# Altium PCB PCB_wordclocksmall_2022-11-05.pcbdoc (part 2 of 5) (continued)
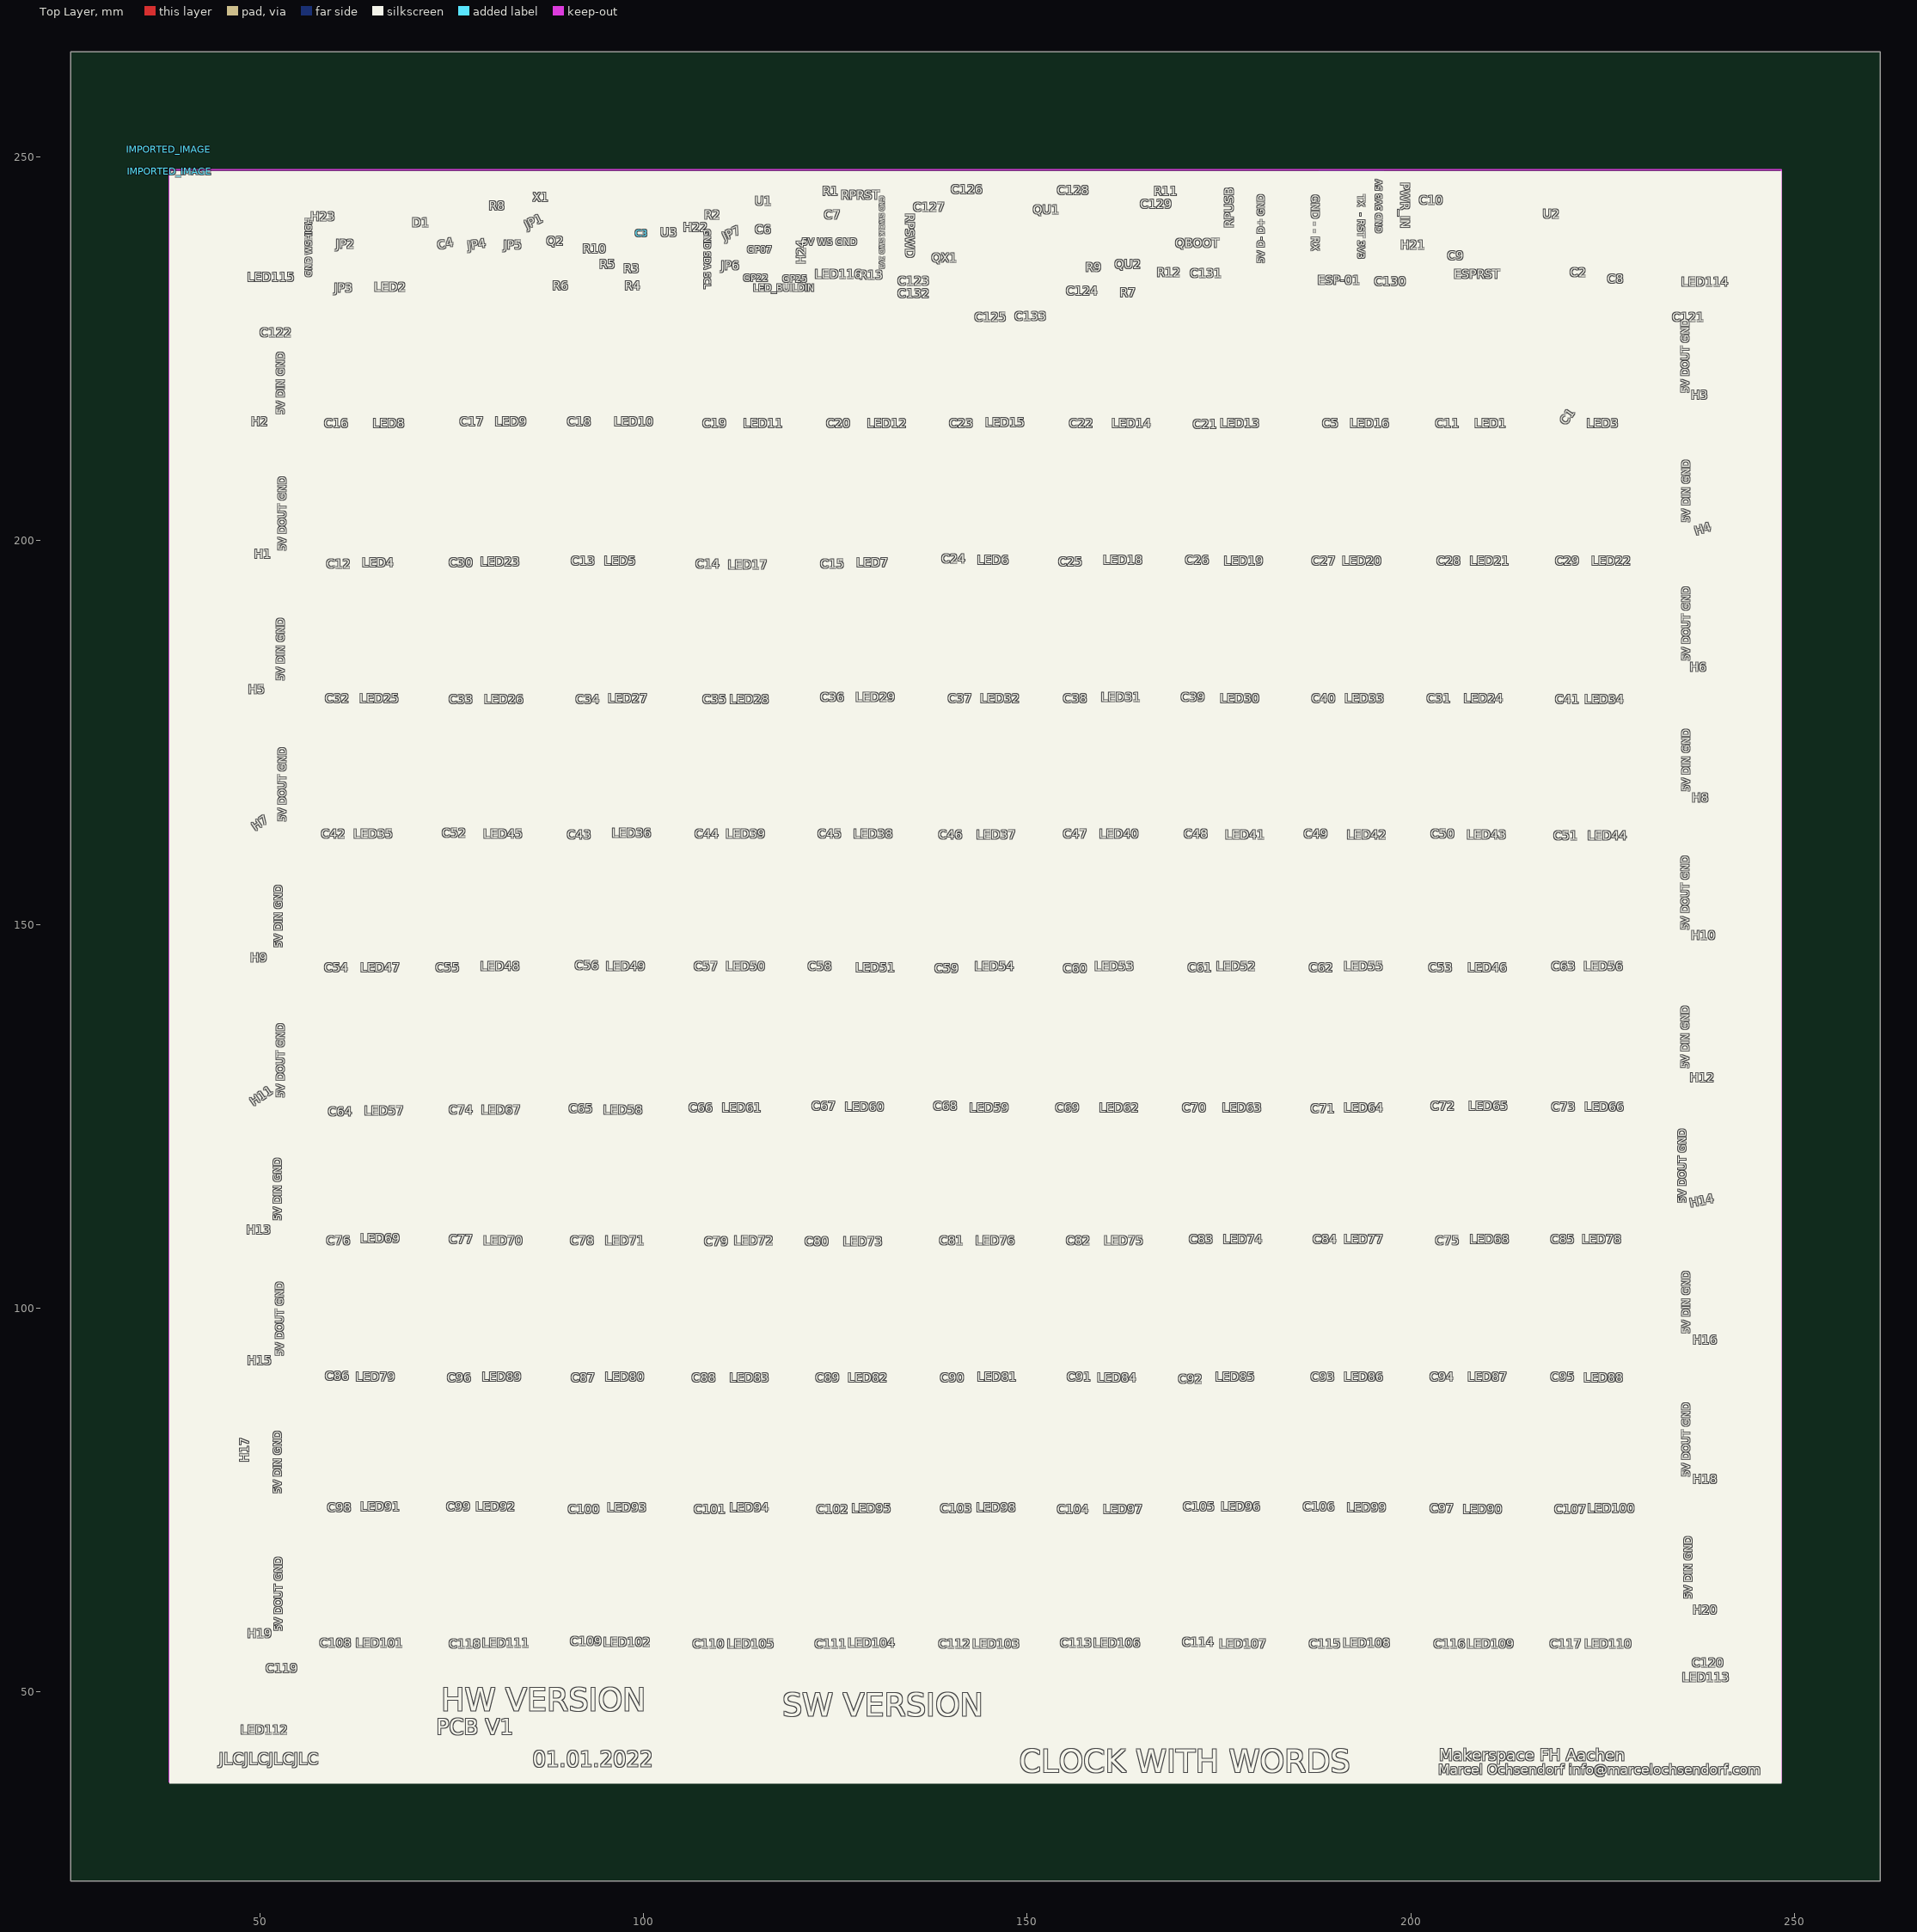
[diagram p0: Top Layer view]
## Footprints (in the part's own frame and the unit in brackets; to place one, negate y for a bottom-side part, rotate by r counter-clockwise, add the part's x,y. Pads: shape width x height; smd on the part's side, far side on the other; paste and mask are expansions set on the pad) (continued)
  Top Layer region: -36.385,-17.78 -36.378,-17.677 -36.359,-17.575 -36.327,-17.476 -36.283,-17.382 -36.227,-17.295 -36.161,-17.215 -36.086,-17.144 -36.002,-17.083 -35.911,-17.033 -35.815,-16.995 -35.714,-16.969 -35.612,-16.957 -35.508,-16.957 -35.405,-16.969 -35.305,-16.995 -35.209,-17.033 -35.118,-17.083 -35.034,-17.144 -34.959,-17.215 -34.892,-17.295 -34.837,-17.382 -34.793,-17.476 -34.761,-17.575 -34.741,-17.677 -34.735,-17.78 -34.735,-19.43 -34.741,-19.533 -34.761,-19.635 -34.793,-19.734 -34.837,-19.827 -34.892,-19.915 -34.959,-19.995 -35.034,-20.066 -35.118,-20.126 -35.209,-20.176 -35.305,-20.215 -35.405,-20.24 -35.508,-20.253 -35.612,-20.253 -35.714,-20.24 -35.815,-20.215 -35.911,-20.176 -36.002,-20.126 -36.086,-20.066 -36.161,-19.995 -36.227,-19.915 -36.283,-19.827 -36.327,-19.734 -36.359,-19.635 -36.378,-19.533 -36.385,-19.43
  Top Layer region: -33.845,-17.78 -33.838,-17.677 -33.819,-17.575 -33.787,-17.476 -33.743,-17.382 -33.687,-17.295 -33.621,-17.215 -33.546,-17.144 -33.462,-17.083 -33.371,-17.033 -33.275,-16.995 -33.174,-16.969 -33.072,-16.957 -32.968,-16.957 -32.865,-16.969 -32.765,-16.995 -32.669,-17.033 -32.578,-17.083 -32.494,-17.144 -32.419,-17.215 -32.352,-17.295 -32.297,-17.382 -32.253,-17.476 -32.221,-17.575 -32.201,-17.677 -32.195,-17.78 -32.195,-19.43 -32.201,-19.533 -32.221,-19.635 -32.253,-19.734 -32.297,-19.827 -32.352,-19.915 -32.419,-19.995 -32.494,-20.066 -32.578,-20.126 -32.669,-20.176 -32.765,-20.215 -32.865,-20.24 -32.968,-20.253 -33.072,-20.253 -33.174,-20.24 -33.275,-20.215 -33.371,-20.176 -33.462,-20.126 -33.546,-20.066 -33.621,-19.995 -33.687,-19.915 -33.743,-19.827 -33.787,-19.734 -33.819,-19.635 -33.838,-19.533 -33.845,-19.43
  Top Layer region: -31.305,-17.78 -31.298,-17.677 -31.279,-17.575 -31.247,-17.476 -31.203,-17.382 -31.147,-17.295 -31.081,-17.215 -31.006,-17.144 -30.922,-17.083 -30.831,-17.033 -30.735,-16.995 -30.634,-16.969 -30.532,-16.957 -30.428,-16.957 -30.325,-16.969 -30.225,-16.995 -30.129,-17.033 -30.038,-17.083 -29.954,-17.144 -29.879,-17.215 -29.812,-17.295 -29.757,-17.382 -29.713,-17.476 -29.681,-17.575 -29.661,-17.677 -29.655,-17.78 -29.655,-19.43 -29.661,-19.533 -29.681,-19.635 -29.713,-19.734 -29.757,-19.827 -29.812,-19.915 -29.879,-19.995 -29.954,-20.066 -30.038,-20.126 -30.129,-20.176 -30.225,-20.215 -30.325,-20.24 -30.428,-20.253 -30.532,-20.253 -30.634,-20.24 -30.735,-20.215 -30.831,-20.176 -30.922,-20.126 -31.006,-20.066 -31.081,-19.995 -31.147,-19.915 -31.203,-19.827 -31.247,-19.734 -31.279,-19.635 -31.298,-19.533 -31.305,-19.43
  Top Layer region: -28.765,-17.78 -28.758,-17.677 -28.739,-17.575 -28.707,-17.476 -28.663,-17.382 -28.607,-17.295 -28.541,-17.215 -28.466,-17.144 -28.382,-17.083 -28.291,-17.033 -28.195,-16.995 -28.094,-16.969 -27.992,-16.957 -27.888,-16.957 -27.785,-16.969 -27.685,-16.995 -27.589,-17.033 -27.498,-17.083 -27.414,-17.144 -27.339,-17.215 -27.272,-17.295 -27.217,-17.382 -27.173,-17.476 -27.141,-17.575 -27.121,-17.677 -27.115,-17.78 -27.115,-19.43 -27.121,-19.533 -27.141,-19.635 -27.173,-19.734 -27.217,-19.827 -27.272,-19.915 -27.339,-19.995 -27.414,-20.066 -27.498,-20.126 -27.589,-20.176 -27.685,-20.215 -27.785,-20.24 -27.888,-20.253 -27.992,-20.253 -28.094,-20.24 -28.195,-20.215 -28.291,-20.176 -28.382,-20.126 -28.466,-20.066 -28.541,-19.995 -28.607,-19.915 -28.663,-19.827 -28.707,-19.734 -28.739,-19.635 -28.758,-19.533 -28.765,-19.43
  Top Layer region: -26.225,-17.78 -26.218,-17.677 -26.199,-17.575 -26.167,-17.476 -26.123,-17.382 -26.068,-17.295 -26.001,-17.215 -25.926,-17.144 -25.842,-17.083 -25.751,-17.033 -25.655,-16.995 -25.554,-16.969 -25.452,-16.957 -25.348,-16.957 -25.245,-16.969 -25.145,-16.995 -25.049,-17.033 -24.958,-17.083 -24.874,-17.144 -24.799,-17.215 -24.732,-17.295 -24.677,-17.382 -24.633,-17.476 -24.601,-17.575 -24.581,-17.677 -24.575,-17.78 -24.575,-19.43 -24.581,-19.533 -24.601,-19.635 -24.633,-19.734 -24.677,-19.827 -24.732,-19.915 -24.799,-19.995 -24.874,-20.066 -24.958,-20.126 -25.049,-20.176 -25.145,-20.215 -25.245,-20.24 -25.348,-20.253 -25.452,-20.253 -25.554,-20.24 -25.655,-20.215 -25.751,-20.176 -25.842,-20.126 -25.926,-20.066 -26.001,-19.995 -26.068,-19.915 -26.123,-19.827 -26.167,-19.734 -26.199,-19.635 -26.218,-19.533 -26.225,-19.43
  Top Layer region: -23.685,-17.78 -23.678,-17.677 -23.659,-17.575 -23.627,-17.476 -23.583,-17.382 -23.528,-17.295 -23.461,-17.215 -23.386,-17.144 -23.302,-17.083 -23.211,-17.033 -23.115,-16.995 -23.014,-16.969 -22.912,-16.957 -22.808,-16.957 -22.705,-16.969 -22.605,-16.995 -22.509,-17.033 -22.418,-17.083 -22.334,-17.144 -22.259,-17.215 -22.192,-17.295 -22.137,-17.382 -22.093,-17.476 -22.061,-17.575 -22.041,-17.677 -22.035,-17.78 -22.035,-19.43 -22.041,-19.533 -22.061,-19.635 -22.093,-19.734 -22.137,-19.827 -22.192,-19.915 -22.259,-19.995 -22.334,-20.066 -22.418,-20.126 -22.509,-20.176 -22.605,-20.215 -22.705,-20.24 -22.808,-20.253 -22.912,-20.253 -23.014,-20.24 -23.115,-20.215 -23.211,-20.176 -23.302,-20.126 -23.386,-20.066 -23.461,-19.995 -23.528,-19.915 -23.583,-19.827 -23.627,-19.734 -23.659,-19.635 -23.678,-19.533 -23.685,-19.43
  Top Layer region: -21.145,-17.78 -21.138,-17.677 -21.119,-17.575 -21.087,-17.476 -21.043,-17.382 -20.988,-17.295 -20.921,-17.215 -20.846,-17.144 -20.762,-17.083 -20.671,-17.033 -20.575,-16.995 -20.474,-16.969 -20.372,-16.957 -20.268,-16.957 -20.165,-16.969 -20.065,-16.995 -19.969,-17.033 -19.878,-17.083 -19.794,-17.144 -19.719,-17.215 -19.652,-17.295 -19.597,-17.382 -19.553,-17.476 -19.521,-17.575 -19.501,-17.677 -19.495,-17.78 -19.495,-19.43 -19.501,-19.533 -19.521,-19.635 -19.553,-19.734 -19.597,-19.827 -19.652,-19.915 -19.719,-19.995 -19.794,-20.066 -19.878,-20.126 -19.969,-20.176 -20.065,-20.215 -20.165,-20.24 -20.268,-20.253 -20.372,-20.253 -20.474,-20.24 -20.575,-20.215 -20.671,-20.176 -20.762,-20.126 -20.846,-20.066 -20.921,-19.995 -20.988,-19.915 -21.043,-19.827 -21.087,-19.734 -21.119,-19.635 -21.138,-19.533 -21.145,-19.43
  Top Layer region: -18.605,-17.78 -18.598,-17.677 -18.579,-17.575 -18.547,-17.476 -18.503,-17.382 -18.448,-17.295 -18.381,-17.215 -18.306,-17.144 -18.222,-17.083 -18.131,-17.033 -18.035,-16.995 -17.934,-16.969 -17.832,-16.957 -17.728,-16.957 -17.625,-16.969 -17.525,-16.995 -17.429,-17.033 -17.338,-17.083 -17.254,-17.144 -17.179,-17.215 -17.112,-17.295 -17.057,-17.382 -17.013,-17.476 -16.981,-17.575 -16.961,-17.677 -16.955,-17.78 -16.955,-19.43 -16.961,-19.533 -16.981,-19.635 -17.013,-19.734 -17.057,-19.827 -17.112,-19.915 -17.179,-19.995 -17.254,-20.066 -17.338,-20.126 -17.429,-20.176 -17.525,-20.215 -17.625,-20.24 -17.728,-20.253 -17.832,-20.253 -17.934,-20.24 -18.035,-20.215 -18.131,-20.176 -18.222,-20.126 -18.306,-20.066 -18.381,-19.995 -18.448,-19.915 -18.503,-19.827 -18.547,-19.734 -18.579,-19.635 -18.598,-19.533 -18.605,-19.43
  Top Layer region: -16.065,-17.78 -16.058,-17.677 -16.039,-17.575 -16.007,-17.476 -15.963,-17.382 -15.908,-17.295 -15.841,-17.215 -15.766,-17.144 -15.682,-17.083 -15.591,-17.033 -15.495,-16.995 -15.394,-16.969 -15.292,-16.957 -15.188,-16.957 -15.085,-16.969 -14.985,-16.995 -14.889,-17.033 -14.798,-17.083 -14.714,-17.144 -14.639,-17.215 -14.572,-17.295 -14.517,-17.382 -14.473,-17.476 -14.441,-17.575 -14.421,-17.677 -14.415,-17.78 -14.415,-19.43 -14.421,-19.533 -14.441,-19.635 -14.473,-19.734 -14.517,-19.827 -14.572,-19.915 -14.639,-19.995 -14.714,-20.066 -14.798,-20.126 -14.889,-20.176 -14.985,-20.215 -15.085,-20.24 -15.188,-20.253 -15.292,-20.253 -15.394,-20.24 -15.495,-20.215 -15.591,-20.176 -15.682,-20.126 -15.766,-20.066 -15.841,-19.995 -15.908,-19.915 -15.963,-19.827 -16.007,-19.734 -16.039,-19.635 -16.058,-19.533 -16.065,-19.43
  Top Layer region: -13.525,-17.78 -13.518,-17.677 -13.499,-17.575 -13.467,-17.476 -13.423,-17.382 -13.368,-17.295 -13.301,-17.215 -13.226,-17.144 -13.142,-17.083 -13.051,-17.033 -12.955,-16.995 -12.855,-16.969 -12.752,-16.957 -12.648,-16.957 -12.545,-16.969 -12.445,-16.995 -12.349,-17.033 -12.258,-17.083 -12.174,-17.144 -12.099,-17.215 -12.032,-17.295 -11.977,-17.382 -11.933,-17.476 -11.901,-17.575 -11.881,-17.677 -11.875,-17.78 -11.875,-19.43 -11.881,-19.533 -11.901,-19.635 -11.933,-19.734 -11.977,-19.827 -12.032,-19.915 -12.099,-19.995 -12.174,-20.066 -12.258,-20.126 -12.349,-20.176 -12.445,-20.215 -12.545,-20.24 -12.648,-20.253 -12.752,-20.253 -12.855,-20.24 -12.955,-20.215 -13.051,-20.176 -13.142,-20.126 -13.226,-20.066 -13.301,-19.995 -13.368,-19.915 -13.423,-19.827 -13.467,-19.734 -13.499,-19.635 -13.518,-19.533 -13.525,-19.43
  Top Layer region: -10.985,-17.78 -10.978,-17.677 -10.959,-17.575 -10.927,-17.476 -10.883,-17.382 -10.828,-17.295 -10.761,-17.215 -10.686,-17.144 -10.602,-17.083 -10.511,-17.033 -10.415,-16.995 -10.315,-16.969 -10.212,-16.957 -10.108,-16.957 -10.005,-16.969 -9.905,-16.995 -9.809,-17.033 -9.718,-17.083 -9.634,-17.144 -9.559,-17.215 -9.492,-17.295 -9.437,-17.382 -9.393,-17.476 -9.361,-17.575 -9.342,-17.677 -9.335,-17.78 -9.335,-19.43 -9.342,-19.533 -9.361,-19.635 -9.393,-19.734 -9.437,-19.827 -9.492,-19.915 -9.559,-19.995 -9.634,-20.066 -9.718,-20.126 -9.809,-20.176 -9.905,-20.215 -10.005,-20.24 -10.108,-20.253 -10.212,-20.253 -10.315,-20.24 -10.415,-20.215 -10.511,-20.176 -10.602,-20.126 -10.686,-20.066 -10.761,-19.995 -10.828,-19.915 -10.883,-19.827 -10.927,-19.734 -10.959,-19.635 -10.978,-19.533 -10.985,-19.43
  Top Layer region: -8.445,-17.78 -8.438,-17.677 -8.419,-17.575 -8.387,-17.476 -8.343,-17.382 -8.288,-17.295 -8.221,-17.215 -8.146,-17.144 -8.062,-17.083 -7.971,-17.033 -7.875,-16.995 -7.775,-16.969 -7.672,-16.957 -7.568,-16.957 -7.465,-16.969 -7.365,-16.995 -7.269,-17.033 -7.178,-17.083 -7.094,-17.144 -7.019,-17.215 -6.952,-17.295 -6.897,-17.382 -6.853,-17.476 -6.821,-17.575 -6.802,-17.677 -6.795,-17.78 -6.795,-19.43 -6.802,-19.533 -6.821,-19.635 -6.853,-19.734 -6.897,-19.827 -6.952,-19.915 -7.019,-19.995 -7.094,-20.066 -7.178,-20.126 -7.269,-20.176 -7.365,-20.215 -7.465,-20.24 -7.568,-20.253 -7.672,-20.253 -7.775,-20.24 -7.875,-20.215 -7.971,-20.176 -8.062,-20.126 -8.146,-20.066 -8.221,-19.995 -8.288,-19.915 -8.343,-19.827 -8.387,-19.734 -8.419,-19.635 -8.438,-19.533 -8.445,-19.43
  Top Layer region: -5.905,-17.78 -5.898,-17.677 -5.879,-17.575 -5.847,-17.476 -5.803,-17.382 -5.748,-17.295 -5.681,-17.215 -5.606,-17.144 -5.522,-17.083 -5.431,-17.033 -5.335,-16.995 -5.235,-16.969 -5.132,-16.957 -5.028,-16.957 -4.925,-16.969 -4.825,-16.995 -4.729,-17.033 -4.638,-17.083 -4.554,-17.144 -4.479,-17.215 -4.412,-17.295 -4.357,-17.382 -4.313,-17.476 -4.281,-17.575 -4.262,-17.677 -4.255,-17.78 -4.255,-19.43 -4.262,-19.533 -4.281,-19.635 -4.313,-19.734 -4.357,-19.827 -4.412,-19.915 -4.479,-19.995 -4.554,-20.066 -4.638,-20.126 -4.729,-20.176 -4.825,-20.215 -4.925,-20.24 -5.028,-20.253 -5.132,-20.253 -5.235,-20.24 -5.335,-20.215 -5.431,-20.176 -5.522,-20.126 -5.606,-20.066 -5.681,-19.995 -5.748,-19.915 -5.803,-19.827 -5.847,-19.734 -5.879,-19.635 -5.898,-19.533 -5.905,-19.43
  Top Layer region: -3.365,-17.78 -3.358,-17.677 -3.339,-17.575 -3.307,-17.476 -3.263,-17.382 -3.208,-17.295 -3.141,-17.215 -3.066,-17.144 -2.982,-17.083 -2.891,-17.033 -2.795,-16.995 -2.695,-16.969 -2.592,-16.957 -2.488,-16.957 -2.385,-16.969 -2.285,-16.995 -2.189,-17.033 -2.098,-17.083 -2.014,-17.144 -1.939,-17.215 -1.872,-17.295 -1.817,-17.382 -1.773,-17.476 -1.741,-17.575 -1.722,-17.677 -1.715,-17.78 -1.715,-19.43 -1.722,-19.533 -1.741,-19.635 -1.773,-19.734 -1.817,-19.827 -1.872,-19.915 -1.939,-19.995 -2.014,-20.066 -2.098,-20.126 -2.189,-20.176 -2.285,-20.215 -2.385,-20.24 -2.488,-20.253 -2.592,-20.253 -2.695,-20.24 -2.795,-20.215 -2.891,-20.176 -2.982,-20.126 -3.066,-20.066 -3.141,-19.995 -3.208,-19.915 -3.263,-19.827 -3.307,-19.734 -3.339,-19.635 -3.358,-19.533 -3.365,-19.43
  Top Layer region: -0.825,-17.78 -0.818,-17.677 -0.799,-17.575 -0.767,-17.476 -0.723,-17.382 -0.668,-17.295 -0.601,-17.215 -0.526,-17.144 -0.442,-17.083 -0.351,-17.033 -0.255,-16.995 -0.155,-16.969 -0.052,-16.957 0.052,-16.957 0.155,-16.969 0.255,-16.995 0.351,-17.033 0.442,-17.083 0.526,-17.144 0.601,-17.215 0.668,-17.295 0.723,-17.382 0.767,-17.476 0.799,-17.575 0.818,-17.677 0.825,-17.78 0.825,-19.43 0.818,-19.533 0.799,-19.635 0.767,-19.734 0.723,-19.827 0.668,-19.915 0.601,-19.995 0.526,-20.066 0.442,-20.126 0.351,-20.176 0.255,-20.215 0.155,-20.24 0.052,-20.253 -0.052,-20.253 -0.155,-20.24 -0.255,-20.215 -0.351,-20.176 -0.442,-20.126 -0.526,-20.066 -0.601,-19.995 -0.668,-19.915 -0.723,-19.827 -0.767,-19.734 -0.799,-19.635 -0.818,-19.533 -0.825,-19.43
  Top Layer region: -48.03,-5.525 -47.926,-5.532 -47.825,-5.551 -47.726,-5.583 -47.632,-5.627 -47.545,-5.682 -47.465,-5.749 -47.394,-5.824 -47.333,-5.908 -47.283,-5.999 -47.245,-6.095 -47.22,-6.195 -47.206,-6.298 -47.206,-6.402 -47.22,-6.505 -47.245,-6.605 -47.283,-6.701 -47.333,-6.792 -47.394,-6.876 -47.465,-6.951 -47.545,-7.018 -47.632,-7.073 -47.726,-7.117 -47.825,-7.149 -47.926,-7.168 -48.03,-7.175 -49.68,-7.175 -49.783,-7.168 -49.885,-7.149 -49.984,-7.117 -50.077,-7.073 -50.165,-7.018 -50.245,-6.951 -50.316,-6.876 -50.377,-6.792 -50.426,-6.701 -50.464,-6.605 -50.49,-6.505 -50.503,-6.402 -50.503,-6.298 -50.49,-6.195 -50.464,-6.095 -50.426,-5.999 -50.377,-5.908 -50.316,-5.824 -50.245,-5.749 -50.165,-5.682 -50.077,-5.627 -49.984,-5.583 -49.885,-5.551 -49.783,-5.532 -49.68,-5.525
  Top Layer region: -48.03,-8.065 -47.926,-8.072 -47.825,-8.091 -47.726,-8.123 -47.632,-8.167 -47.545,-8.222 -47.465,-8.289 -47.394,-8.364 -47.333,-8.448 -47.283,-8.539 -47.245,-8.635 -47.22,-8.735 -47.206,-8.838 -47.206,-8.942 -47.22,-9.045 -47.245,-9.145 -47.283,-9.241 -47.333,-9.332 -47.394,-9.416 -47.465,-9.491 -47.545,-9.558 -47.632,-9.613 -47.726,-9.657 -47.825,-9.689 -47.926,-9.708 -48.03,-9.715 -49.68,-9.715 -49.783,-9.708 -49.885,-9.689 -49.984,-9.657 -50.077,-9.613 -50.165,-9.558 -50.245,-9.491 -50.316,-9.416 -50.377,-9.332 -50.426,-9.241 -50.464,-9.145 -50.49,-9.045 -50.503,-8.942 -50.503,-8.838 -50.49,-8.735 -50.464,-8.635 -50.426,-8.539 -50.377,-8.448 -50.316,-8.364 -50.245,-8.289 -50.165,-8.222 -50.077,-8.167 -49.984,-8.123 -49.885,-8.091 -49.783,-8.072 -49.68,-8.065
  Top Layer region: -48.03,-10.605 -47.926,-10.611 -47.825,-10.631 -47.726,-10.663 -47.632,-10.707 -47.545,-10.762 -47.465,-10.829 -47.394,-10.904 -47.333,-10.988 -47.283,-11.079 -47.245,-11.175 -47.22,-11.275 -47.206,-11.378 -47.206,-11.482 -47.22,-11.585 -47.245,-11.685 -47.283,-11.781 -47.333,-11.872 -47.394,-11.956 -47.465,-12.031 -47.545,-12.098 -47.632,-12.153 -47.726,-12.197 -47.825,-12.229 -47.926,-12.248 -48.03,-12.255 -49.68,-12.255 -49.783,-12.248 -49.885,-12.229 -49.984,-12.197 -50.077,-12.153 -50.165,-12.098 -50.245,-12.031 -50.316,-11.956 -50.377,-11.872 -50.426,-11.781 -50.464,-11.685 -50.49,-11.585 -50.503,-11.482 -50.503,-11.378 -50.49,-11.275 -50.464,-11.175 -50.426,-11.079 -50.377,-10.988 -50.316,-10.904 -50.245,-10.829 -50.165,-10.762 -50.077,-10.707 -49.984,-10.663 -49.885,-10.631 -49.783,-10.611 -49.68,-10.605
  Bottom Layer region: 0.825,0 0.818,-0.103 0.799,-0.205 0.767,-0.304 0.723,-0.398 0.668,-0.485 0.601,-0.565 0.526,-0.636 0.442,-0.696 0.351,-0.747 0.255,-0.785 0.155,-0.81 0.052,-0.823 -0.052,-0.823 -0.155,-0.81 -0.255,-0.785 -0.351,-0.747 -0.442,-0.696 -0.526,-0.636 -0.601,-0.565 -0.668,-0.485 -0.723,-0.398 -0.767,-0.304 -0.799,-0.205 -0.818,-0.103 -0.825,0 -0.825,1.65 -0.818,1.753 -0.799,1.855 -0.767,1.954 -0.723,2.047 -0.668,2.135 -0.601,2.215 -0.526,2.286 -0.442,2.346 -0.351,2.396 -0.255,2.435 -0.155,2.46 -0.052,2.473 0.052,2.473 0.155,2.46 0.255,2.435 0.351,2.396 0.442,2.346 0.526,2.286 0.601,2.215 0.668,2.135 0.723,2.047 0.767,1.954 0.799,1.855 0.818,1.753 0.825,1.65
  Bottom Layer region: -1.715,0 -1.722,-0.103 -1.741,-0.205 -1.773,-0.304 -1.817,-0.398 -1.872,-0.485 -1.939,-0.565 -2.014,-0.636 -2.098,-0.696 -2.189,-0.747 -2.285,-0.785 -2.385,-0.81 -2.488,-0.823 -2.592,-0.823 -2.695,-0.81 -2.795,-0.785 -2.891,-0.747 -2.982,-0.696 -3.066,-0.636 -3.141,-0.565 -3.208,-0.485 -3.263,-0.398 -3.307,-0.304 -3.339,-0.205 -3.358,-0.103 -3.365,0 -3.365,1.65 -3.358,1.753 -3.339,1.855 -3.307,1.954 -3.263,2.047 -3.208,2.135 -3.141,2.215 -3.066,2.286 -2.982,2.346 -2.891,2.396 -2.795,2.435 -2.695,2.46 -2.592,2.473 -2.488,2.473 -2.385,2.46 -2.285,2.435 -2.189,2.396 -2.098,2.346 -2.014,2.286 -1.939,2.215 -1.872,2.135 -1.817,2.047 -1.773,1.954 -1.741,1.855 -1.722,1.753 -1.715,1.65
  Bottom Layer region: -4.255,0 -4.262,-0.103 -4.281,-0.205 -4.313,-0.304 -4.357,-0.398 -4.412,-0.485 -4.479,-0.565 -4.554,-0.636 -4.638,-0.696 -4.729,-0.747 -4.825,-0.785 -4.925,-0.81 -5.028,-0.823 -5.132,-0.823 -5.235,-0.81 -5.335,-0.785 -5.431,-0.747 -5.522,-0.696 -5.606,-0.636 -5.681,-0.565 -5.748,-0.485 -5.803,-0.398 -5.847,-0.304 -5.879,-0.205 -5.898,-0.103 -5.905,0 -5.905,1.65 -5.898,1.753 -5.879,1.855 -5.847,1.954 -5.803,2.047 -5.748,2.135 -5.681,2.215 -5.606,2.286 -5.522,2.346 -5.431,2.396 -5.335,2.435 -5.235,2.46 -5.132,2.473 -5.028,2.473 -4.925,2.46 -4.825,2.435 -4.729,2.396 -4.638,2.346 -4.554,2.286 -4.479,2.215 -4.412,2.135 -4.357,2.047 -4.313,1.954 -4.281,1.855 -4.262,1.753 -4.255,1.65
  Bottom Layer region: -6.795,0 -6.802,-0.103 -6.821,-0.205 -6.853,-0.304 -6.897,-0.398 -6.952,-0.485 -7.019,-0.565 -7.094,-0.636 -7.178,-0.696 -7.269,-0.747 -7.365,-0.785 -7.465,-0.81 -7.568,-0.823 -7.672,-0.823 -7.775,-0.81 -7.875,-0.785 -7.971,-0.747 -8.062,-0.696 -8.146,-0.636 -8.221,-0.565 -8.288,-0.485 -8.343,-0.398 -8.387,-0.304 -8.419,-0.205 -8.438,-0.103 -8.445,0 -8.445,1.65 -8.438,1.753 -8.419,1.855 -8.387,1.954 -8.343,2.047 -8.288,2.135 -8.221,2.215 -8.146,2.286 -8.062,2.346 -7.971,2.396 -7.875,2.435 -7.775,2.46 -7.672,2.473 -7.568,2.473 -7.465,2.46 -7.365,2.435 -7.269,2.396 -7.178,2.346 -7.094,2.286 -7.019,2.215 -6.952,2.135 -6.897,2.047 -6.853,1.954 -6.821,1.855 -6.802,1.753 -6.795,1.65
  Bottom Layer region: -9.335,0 -9.342,-0.103 -9.361,-0.205 -9.393,-0.304 -9.437,-0.398 -9.492,-0.485 -9.559,-0.565 -9.634,-0.636 -9.718,-0.696 -9.809,-0.747 -9.905,-0.785 -10.005,-0.81 -10.108,-0.823 -10.212,-0.823 -10.315,-0.81 -10.415,-0.785 -10.511,-0.747 -10.602,-0.696 -10.686,-0.636 -10.761,-0.565 -10.828,-0.485 -10.883,-0.398 -10.927,-0.304 -10.959,-0.205 -10.978,-0.103 -10.985,0 -10.985,1.65 -10.978,1.753 -10.959,1.855 -10.927,1.954 -10.883,2.047 -10.828,2.135 -10.761,2.215 -10.686,2.286 -10.602,2.346 -10.511,2.396 -10.415,2.435 -10.315,2.46 -10.212,2.473 -10.108,2.473 -10.005,2.46 -9.905,2.435 -9.809,2.396 -9.718,2.346 -9.634,2.286 -9.559,2.215 -9.492,2.135 -9.437,2.047 -9.393,1.954 -9.361,1.855 -9.342,1.753 -9.335,1.65
  Bottom Layer region: -11.875,0 -11.881,-0.103 -11.901,-0.205 -11.933,-0.304 -11.977,-0.398 -12.032,-0.485 -12.099,-0.565 -12.174,-0.636 -12.258,-0.696 -12.349,-0.747 -12.445,-0.785 -12.545,-0.81 -12.648,-0.823 -12.752,-0.823 -12.855,-0.81 -12.955,-0.785 -13.051,-0.747 -13.142,-0.696 -13.226,-0.636 -13.301,-0.565 -13.368,-0.485 -13.423,-0.398 -13.467,-0.304 -13.499,-0.205 -13.518,-0.103 -13.525,0 -13.525,1.65 -13.518,1.753 -13.499,1.855 -13.467,1.954 -13.423,2.047 -13.368,2.135 -13.301,2.215 -13.226,2.286 -13.142,2.346 -13.051,2.396 -12.955,2.435 -12.855,2.46 -12.752,2.473 -12.648,2.473 -12.545,2.46 -12.445,2.435 -12.349,2.396 -12.258,2.346 -12.174,2.286 -12.099,2.215 -12.032,2.135 -11.977,2.047 -11.933,1.954 -11.901,1.855 -11.881,1.753 -11.875,1.65
  Bottom Layer region: -14.415,0 -14.421,-0.103 -14.441,-0.205 -14.473,-0.304 -14.517,-0.398 -14.572,-0.485 -14.639,-0.565 -14.714,-0.636 -14.798,-0.696 -14.889,-0.747 -14.985,-0.785 -15.085,-0.81 -15.188,-0.823 -15.292,-0.823 -15.394,-0.81 -15.495,-0.785 -15.591,-0.747 -15.682,-0.696 -15.766,-0.636 -15.841,-0.565 -15.908,-0.485 -15.963,-0.398 -16.007,-0.304 -16.039,-0.205 -16.058,-0.103 -16.065,0 -16.065,1.65 -16.058,1.753 -16.039,1.855 -16.007,1.954 -15.963,2.047 -15.908,2.135 -15.841,2.215 -15.766,2.286 -15.682,2.346 -15.591,2.396 -15.495,2.435 -15.394,2.46 -15.292,2.473 -15.188,2.473 -15.085,2.46 -14.985,2.435 -14.889,2.396 -14.798,2.346 -14.714,2.286 -14.639,2.215 -14.572,2.135 -14.517,2.047 -14.473,1.954 -14.441,1.855 -14.421,1.753 -14.415,1.65
  Bottom Layer region: -16.955,0 -16.961,-0.103 -16.981,-0.205 -17.013,-0.304 -17.057,-0.398 -17.112,-0.485 -17.179,-0.565 -17.254,-0.636 -17.338,-0.696 -17.429,-0.747 -17.525,-0.785 -17.625,-0.81 -17.728,-0.823 -17.832,-0.823 -17.934,-0.81 -18.035,-0.785 -18.131,-0.747 -18.222,-0.696 -18.306,-0.636 -18.381,-0.565 -18.448,-0.485 -18.503,-0.398 -18.547,-0.304 -18.579,-0.205 -18.598,-0.103 -18.605,0 -18.605,1.65 -18.598,1.753 -18.579,1.855 -18.547,1.954 -18.503,2.047 -18.448,2.135 -18.381,2.215 -18.306,2.286 -18.222,2.346 -18.131,2.396 -18.035,2.435 -17.934,2.46 -17.832,2.473 -17.728,2.473 -17.625,2.46 -17.525,2.435 -17.429,2.396 -17.338,2.346 -17.254,2.286 -17.179,2.215 -17.112,2.135 -17.057,2.047 -17.013,1.954 -16.981,1.855 -16.961,1.753 -16.955,1.65
  Bottom Layer region: -19.495,0 -19.501,-0.103 -19.521,-0.205 -19.553,-0.304 -19.597,-0.398 -19.652,-0.485 -19.719,-0.565 -19.794,-0.636 -19.878,-0.696 -19.969,-0.747 -20.065,-0.785 -20.165,-0.81 -20.268,-0.823 -20.372,-0.823 -20.474,-0.81 -20.575,-0.785 -20.671,-0.747 -20.762,-0.696 -20.846,-0.636 -20.921,-0.565 -20.988,-0.485 -21.043,-0.398 -21.087,-0.304 -21.119,-0.205 -21.138,-0.103 -21.145,0 -21.145,1.65 -21.138,1.753 -21.119,1.855 -21.087,1.954 -21.043,2.047 -20.988,2.135 -20.921,2.215 -20.846,2.286 -20.762,2.346 -20.671,2.396 -20.575,2.435 -20.474,2.46 -20.372,2.473 -20.268,2.473 -20.165,2.46 -20.065,2.435 -19.969,2.396 -19.878,2.346 -19.794,2.286 -19.719,2.215 -19.652,2.135 -19.597,2.047 -19.553,1.954 -19.521,1.855 -19.501,1.753 -19.495,1.65
  Bottom Layer region: -22.035,0 -22.041,-0.103 -22.061,-0.205 -22.093,-0.304 -22.137,-0.398 -22.192,-0.485 -22.259,-0.565 -22.334,-0.636 -22.418,-0.696 -22.509,-0.747 -22.605,-0.785 -22.705,-0.81 -22.808,-0.823 -22.912,-0.823 -23.014,-0.81 -23.115,-0.785 -23.211,-0.747 -23.302,-0.696 -23.386,-0.636 -23.461,-0.565 -23.528,-0.485 -23.583,-0.398 -23.627,-0.304 -23.659,-0.205 -23.678,-0.103 -23.685,0 -23.685,1.65 -23.678,1.753 -23.659,1.855 -23.627,1.954 -23.583,2.047 -23.528,2.135 -23.461,2.215 -23.386,2.286 -23.302,2.346 -23.211,2.396 -23.115,2.435 -23.014,2.46 -22.912,2.473 -22.808,2.473 -22.705,2.46 -22.605,2.435 -22.509,2.396 -22.418,2.346 -22.334,2.286 -22.259,2.215 -22.192,2.135 -22.137,2.047 -22.093,1.954 -22.061,1.855 -22.041,1.753 -22.035,1.65
  Bottom Layer region: -24.575,0 -24.581,-0.103 -24.601,-0.205 -24.633,-0.304 -24.677,-0.398 -24.732,-0.485 -24.799,-0.565 -24.874,-0.636 -24.958,-0.696 -25.049,-0.747 -25.145,-0.785 -25.245,-0.81 -25.348,-0.823 -25.452,-0.823 -25.554,-0.81 -25.655,-0.785 -25.751,-0.747 -25.842,-0.696 -25.926,-0.636 -26.001,-0.565 -26.068,-0.485 -26.123,-0.398 -26.167,-0.304 -26.199,-0.205 -26.218,-0.103 -26.225,0 -26.225,1.65 -26.218,1.753 -26.199,1.855 -26.167,1.954 -26.123,2.047 -26.068,2.135 -26.001,2.215 -25.926,2.286 -25.842,2.346 -25.751,2.396 -25.655,2.435 -25.554,2.46 -25.452,2.473 -25.348,2.473 -25.245,2.46 -25.145,2.435 -25.049,2.396 -24.958,2.346 -24.874,2.286 -24.799,2.215 -24.732,2.135 -24.677,2.047 -24.633,1.954 -24.601,1.855 -24.581,1.753 -24.575,1.65
  Bottom Layer region: -27.115,0 -27.121,-0.103 -27.141,-0.205 -27.173,-0.304 -27.217,-0.398 -27.272,-0.485 -27.339,-0.565 -27.414,-0.636 -27.498,-0.696 -27.589,-0.747 -27.685,-0.785 -27.785,-0.81 -27.888,-0.823 -27.992,-0.823 -28.094,-0.81 -28.195,-0.785 -28.291,-0.747 -28.382,-0.696 -28.466,-0.636 -28.541,-0.565 -28.607,-0.485 -28.663,-0.398 -28.707,-0.304 -28.739,-0.205 -28.758,-0.103 -28.765,0 -28.765,1.65 -28.758,1.753 -28.739,1.855 -28.707,1.954 -28.663,2.047 -28.607,2.135 -28.541,2.215 -28.466,2.286 -28.382,2.346 -28.291,2.396 -28.195,2.435 -28.094,2.46 -27.992,2.473 -27.888,2.473 -27.785,2.46 -27.685,2.435 -27.589,2.396 -27.498,2.346 -27.414,2.286 -27.339,2.215 -27.272,2.135 -27.217,2.047 -27.173,1.954 -27.141,1.855 -27.121,1.753 -27.115,1.65
  Bottom Layer region: -29.655,0 -29.661,-0.103 -29.681,-0.205 -29.713,-0.304 -29.757,-0.398 -29.812,-0.485 -29.879,-0.565 -29.954,-0.636 -30.038,-0.696 -30.129,-0.747 -30.225,-0.785 -30.325,-0.81 -30.428,-0.823 -30.532,-0.823 -30.634,-0.81 -30.735,-0.785 -30.831,-0.747 -30.922,-0.696 -31.006,-0.636 -31.081,-0.565 -31.147,-0.485 -31.203,-0.398 -31.247,-0.304 -31.279,-0.205 -31.298,-0.103 -31.305,0 -31.305,1.65 -31.298,1.753 -31.279,1.855 -31.247,1.954 -31.203,2.047 -31.147,2.135 -31.081,2.215 -31.006,2.286 -30.922,2.346 -30.831,2.396 -30.735,2.435 -30.634,2.46 -30.532,2.473 -30.428,2.473 -30.325,2.46 -30.225,2.435 -30.129,2.396 -30.038,2.346 -29.954,2.286 -29.879,2.215 -29.812,2.135 -29.757,2.047 -29.713,1.954 -29.681,1.855 -29.661,1.753 -29.655,1.65
  Bottom Layer region: -32.195,0 -32.201,-0.103 -32.221,-0.205 -32.253,-0.304 -32.297,-0.398 -32.352,-0.485 -32.419,-0.565 -32.494,-0.636 -32.578,-0.696 -32.669,-0.747 -32.765,-0.785 -32.865,-0.81 -32.968,-0.823 -33.072,-0.823 -33.174,-0.81 -33.275,-0.785 -33.371,-0.747 -33.462,-0.696 -33.546,-0.636 -33.621,-0.565 -33.687,-0.485 -33.743,-0.398 -33.787,-0.304 -33.819,-0.205 -33.838,-0.103 -33.845,0 -33.845,1.65 -33.838,1.753 -33.819,1.855 -33.787,1.954 -33.743,2.047 -33.687,2.135 -33.621,2.215 -33.546,2.286 -33.462,2.346 -33.371,2.396 -33.275,2.435 -33.174,2.46 -33.072,2.473 -32.968,2.473 -32.865,2.46 -32.765,2.435 -32.669,2.396 -32.578,2.346 -32.494,2.286 -32.419,2.215 -32.352,2.135 -32.297,2.047 -32.253,1.954 -32.221,1.855 -32.201,1.753 -32.195,1.65
  Bottom Layer region: -34.735,0 -34.741,-0.103 -34.761,-0.205 -34.793,-0.304 -34.837,-0.398 -34.892,-0.485 -34.959,-0.565 -35.034,-0.636 -35.118,-0.696 -35.209,-0.747 -35.305,-0.785 -35.405,-0.81 -35.508,-0.823 -35.612,-0.823 -35.714,-0.81 -35.815,-0.785 -35.911,-0.747 -36.002,-0.696 -36.086,-0.636 -36.161,-0.565 -36.227,-0.485 -36.283,-0.398 -36.327,-0.304 -36.359,-0.205 -36.378,-0.103 -36.385,0 -36.385,1.65 -36.378,1.753 -36.359,1.855 -36.327,1.954 -36.283,2.047 -36.227,2.135 -36.161,2.215 -36.086,2.286 -36.002,2.346 -35.911,2.396 -35.815,2.435 -35.714,2.46 -35.612,2.473 -35.508,2.473 -35.405,2.46 -35.305,2.435 -35.209,2.396 -35.118,2.346 -35.034,2.286 -34.959,2.215 -34.892,2.135 -34.837,2.047 -34.793,1.954 -34.761,1.855 -34.741,1.753 -34.735,1.65
  Bottom Layer region: -37.275,0 -37.281,-0.103 -37.301,-0.205 -37.333,-0.304 -37.377,-0.398 -37.432,-0.485 -37.499,-0.565 -37.574,-0.636 -37.658,-0.696 -37.749,-0.747 -37.845,-0.785 -37.945,-0.81 -38.048,-0.823 -38.152,-0.823 -38.254,-0.81 -38.355,-0.785 -38.451,-0.747 -38.542,-0.696 -38.626,-0.636 -38.701,-0.565 -38.767,-0.485 -38.823,-0.398 -38.867,-0.304 -38.899,-0.205 -38.918,-0.103 -38.925,0 -38.925,1.65 -38.918,1.753 -38.899,1.855 -38.867,1.954 -38.823,2.047 -38.767,2.135 -38.701,2.215 -38.626,2.286 -38.542,2.346 -38.451,2.396 -38.355,2.435 -38.254,2.46 -38.152,2.473 -38.048,2.473 -37.945,2.46 -37.845,2.435 -37.749,2.396 -37.658,2.346 -37.574,2.286 -37.499,2.215 -37.432,2.135 -37.377,2.047 -37.333,1.954 -37.301,1.855 -37.281,1.753 -37.275,1.65
  Bottom Layer region: -39.815,0 -39.821,-0.103 -39.841,-0.205 -39.873,-0.304 -39.917,-0.398 -39.972,-0.485 -40.039,-0.565 -40.114,-0.636 -40.198,-0.696 -40.289,-0.747 -40.385,-0.785 -40.485,-0.81 -40.588,-0.823 -40.692,-0.823 -40.794,-0.81 -40.895,-0.785 -40.991,-0.747 -41.082,-0.696 -41.166,-0.636 -41.241,-0.565 -41.307,-0.485 -41.363,-0.398 -41.407,-0.304 -41.439,-0.205 -41.458,-0.103 -41.465,0 -41.465,1.65 -41.458,1.753 -41.439,1.855 -41.407,1.954 -41.363,2.047 -41.307,2.135 -41.241,2.215 -41.166,2.286 -41.082,2.346 -40.991,2.396 -40.895,2.435 -40.794,2.46 -40.692,2.473 -40.588,2.473 -40.485,2.46 -40.385,2.435 -40.289,2.396 -40.198,2.346 -40.114,2.286 -40.039,2.215 -39.972,2.135 -39.917,2.047 -39.873,1.954 -39.841,1.855 -39.821,1.753 -39.815,1.65